# Altium PCB GN-1876-HI3519AV100_V1.PCBDOC (part 4 of 6) (continued)
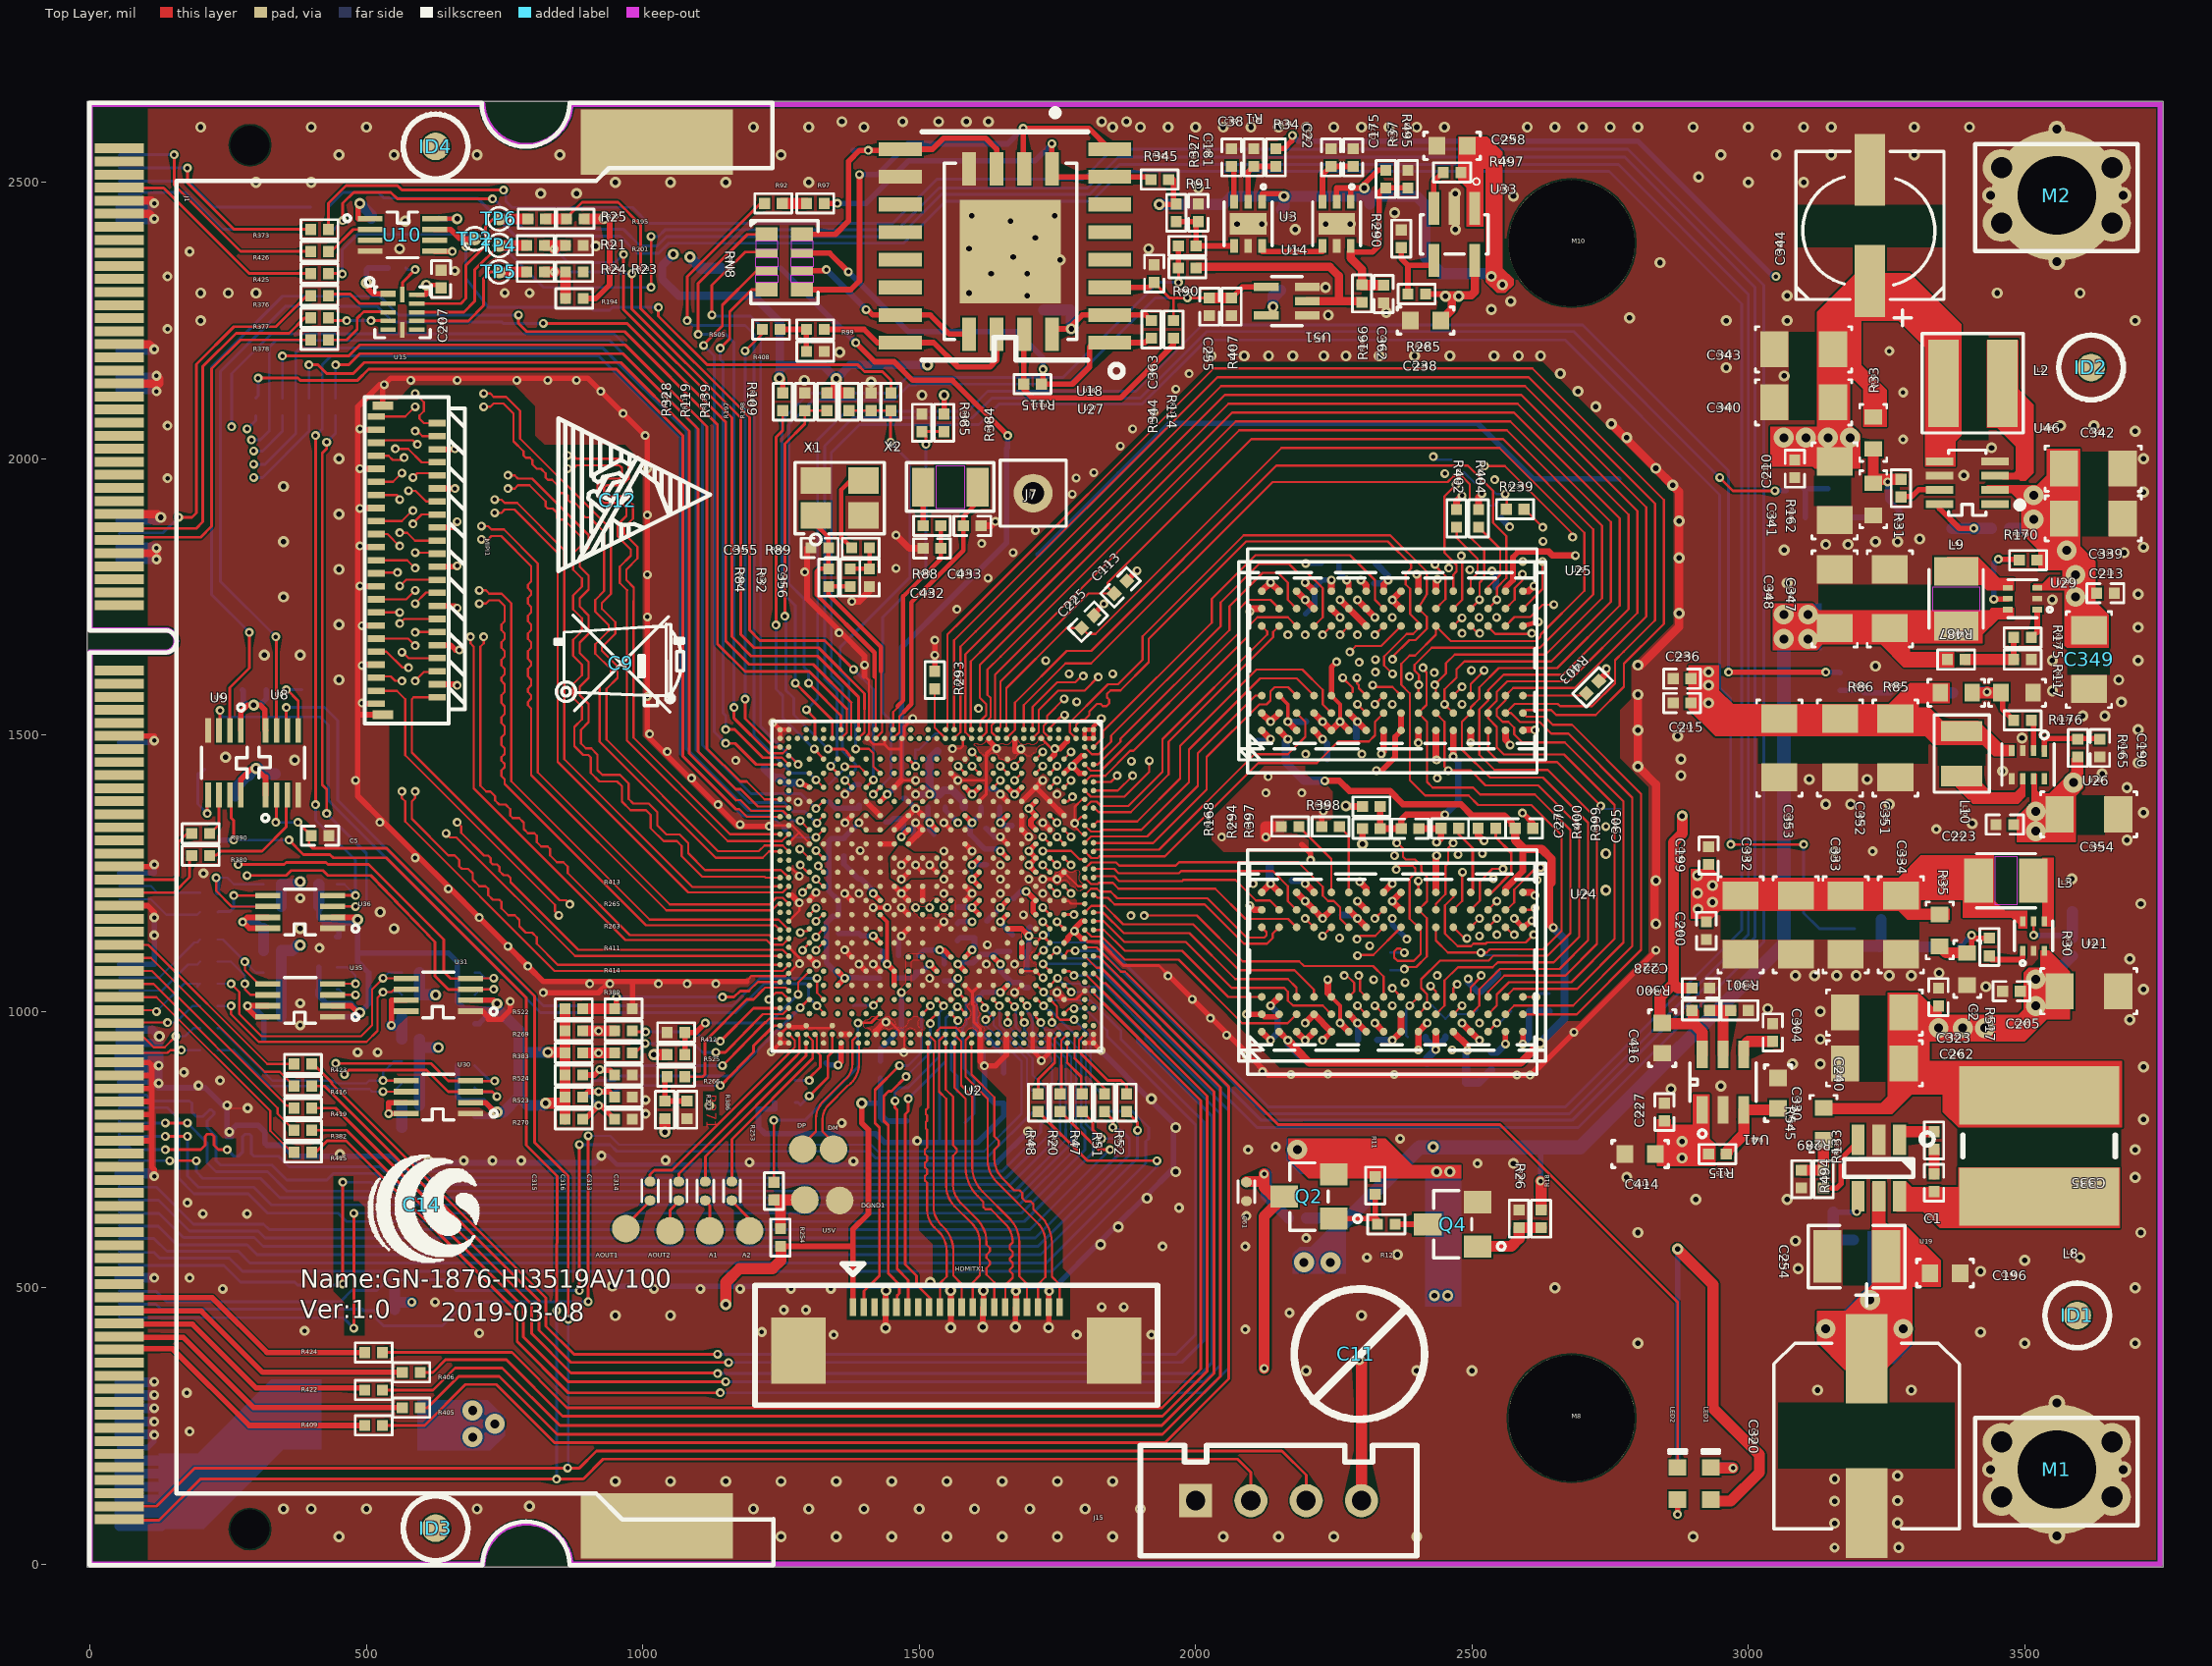
[diagram p0: Top Layer view]
## Nets (pads, with @x,y where several pads share a name; then routed paths per layer and width w, separated by ;. In a path a pad name is that pad's centre, name@x,y a point inside that pad or via, vN(x,y) a via of type N, cw(c..) or ccw(c..) an arc to the next point about the centre after c; other vN are vias at no path point) (continued)
  Mid-Layer 2 w12: v1(1544.53,1213.67) v1(1544.53,1239.26) v1(1544.53,1264.85)
  Bottom Layer w5.1: 1537,763.16 R242.1@1537,855.16 ; v1@2325,1607.16 v1(2325,1613.9)
  Bottom Layer w8: v3(925,739.16) 937,739.16 953,723.16 1041,723.16 1193,723.16 1381,723.16 1637,723.16 1641,727.16
  Bottom Layer w10: J1.192@53,211.16 104,211.16 114.99,222.16 114.99,233.15 v3(116,234.16) ; J1.136@53,872.58 112,872.58 119.21,865.37 122.42,862.16 124,862.16 196,862.16 208,862.16 248,822.16 248,782.16 248,774.16 252,774.16 256,774.16 256,782.16 256,786.16 264,794.16 304,794.16 316,782.16 316,762.16 320,758.16 348,758.16 368,738.16 452,738.16 548,738.16 560,726.16 612,726.16 676,726.16 728,726.16 780,726.16 912,726.16 v3(925,739.16) ; J1.118@53,1085.18 116,1085.18 v3(116,1138.16) v3(116,1170.16) ; J1.104@53,1250.53 116,1250.53 v3(116,1266.16) ; J1.84@53,1486.75 116,1486.75 v3(116,1490.16) ; v2(945,503.16) 1020,503.16 1104,503.16 1176,503.16 1268,503.16 1340,503.16 1440,503.16 1747,503.16 1825,581.16 1857,613.16 1909,665.16 1959,715.16 1960,716.16 1960,790.16 1960,798.19 1918.01,840.17 v1(1828.65,929.54) ; C312.2@1238.5,835.16 1238.5,823.16 1209,823.16 1209,791.16 1221,779.16 1421,779.16 1437,763.16 1496,763.16 1537,763.16 1605,763.16 1653,811.16 C57.2@1653,834.4 1635.86,834.4 1618,852.26 v1(1618,901.9) 1615.6,904.3 C58.2@1615.6,929.7 ; v1(1365.4,1392.79) 1382.81,1410.2 C60.2@1391.1,1410.2 ; C288.2@1462.6,1101.7 1462.6,1131.82 v1(1467.72,1136.94) ; C421.2@1471.4,1385.7 1474.85,1385.7 v1(1493.31,1367.24) ; C53.2@1489.56,1321.14 1489.56,1337.9 v1(1493.31,1341.65) ; C51.2@1621.1,1331.2 1621.85,1330.45 1636.29,1316.01 v1(1646.9,1316.01) ; C46.2@1628.34,1402.83 1636.85,1402.83 v1(1646.89,1392.79) ; 1641,727.16 v3(1697,783.16) ; v1(2199,1810.9) R295.1@2227,1810.9 ; v1(2355.89,1168.27) 2355.89,1157.27 v1(2382,1131.16)
  Bottom Layer w12: C287.2@2323.1,1774.7 2342.1,1774.7 v1(2348.1,1780.7) 2348.1,1788.7 C290.2@2326.1,1810.7 ; v1(2493,1059.16) 2493,1053.16 R244.2@2510,1036.16 2516,1036.16 2547.1,1067.26 R246.2@2547.1,1069.7 ; v1(2536,1797.16) 2543,1790.16 C309.2@2543,1768.16 ; R164.2@2552.31,1892.84 v1(2568,1877.16) ; v1(2592.1,941.28) 2603.1,952.28 C174.2@2603.1,965.7 C34.2@2603.1,1000.7 R401.1@2640.1,1000.7
  Bottom Layer w15: J1.130@53,943.45 125,943.45 v2(125,955.16) 113.09,967.07 J1.128@53,967.07 ; J1.64@53,1817.46 119.31,1817.46 v3(120,1818.16) ; J1.62@53,1841.09 117.07,1841.09 v3(120,1838.16) ; J1.58@53,1888.33 122.17,1888.33 v2(128,1894.16) ; J1.38@53,2124.55 117.61,2124.55 v3(120,2122.16) ; J1.36@53,2148.17 118.01,2148.17 v3(120,2150.16) ; J1.32@53,2195.42 113.26,2195.42 v3(116,2198.16) ; J1.12@53,2431.64 113.48,2431.64 v3(116,2434.16) ; J1.10@53,2455.26 109.1,2455.26 v3(116,2462.16)
  Bottom Layer w18: J1.190@53,234.79 115.37,234.79 v3(116,234.16) ; J1.188@53,258.41 115.75,258.41 v3(116,258.16) ; J1.186@53,282.03 115.87,282.03 v3(116,282.16) ; J1.184@53,305.65 115.49,305.65 v3(116,306.16) ; J1.182@53,329.27 115.12,329.27 v3(116,330.16) ; J1.166@53,518.25 115.91,518.25 v3(116,518.16) ; J1.150@53,707.23 112,707.23 112,706.16 v3(116,702.16) ; J1.134@53,896.2 118.05,896.2 v3@122,900.16 ; J1.132@53,919.83 124,919.83 v3(124,902.16) v3@122,900.16 ; 112,872.58 122,872.58 v3@122,900.16
  other v1: 2172.5,886.16 2359.3,886.16 2581.3,885.46 2239.7,886.66 2121,891.16 2464.38,930.9 2056,957.16 2027,988.16 2355.89,1010.77 1994,1022.16 904,1050.16 940,1050.16 1028,1050.16 1080,1050.16 1132,1050.16 2322.1,1057.7 1518.94,1060.13 1950,1064.16 1621.25,1085.76 1672.44,1085.76 2315,1119.16 1623.23,1120.93 2260.48,1133.09 2513.35,1136.75 2544.84,1138.77 1883.1,1173.7 1688.3,1175 1390.94,1213.7 1723.61,1213.7 2103.94,1231.24 2618,1238.16 588,1278.16 2360,1282.16 1393,1291.16 2047.1,1315.7 2742.1,1334.7 1176,1338.16 524,1342.16 1136,1374.16 1749.21,1392.83 2127.1,1395.7 2192.1,1395.7 480,1418.16 1088,1422.16 2437,1422.16 2131.1,1424.9 1884,1452.9 1168,1454.16 2199.1,1465.7 2301,1465.9 1044,1470.16 1012,1502.16 1607,1548.16 1785,1560.16 1771,1611.16 1850,1611.16 2296,1631.9 1729,1635.16 2325,1636.9 2166.9,1681.77 2198.4,1681.77 2292.88,1681.76 1355,1685 2355.88,1713.26 2513,1713.16 2544.5,1713.16 1624.3,1784.26 1573,1791.9 1293,1795.16 1458,1801.9 1670,1830.16 1613,1846.9 2628.5,1850.66 1710,1870.16 1777,1936.16 1784,1965.16 2451,1973.16 1815.9,1974.96 1864,2023.16 488,2054.16 1886,2054.16 1925,2085.16 1964,2126.16 580,2142.16 664,2142.16 772,2142.16 828,2142.16 880,2142.16 1988,2154.16
  other v2: 3272,30.16 450,50 1250,50 1350,50 1450,50 1550,50 1650,50 1750,50 1850,50 2050,50 2150,50 2250,50 2400,50 2900,50 3156,74.16 3270,75 350,100 400,100 500,100 700,100 1200,100 1300,100 1400,100 1500,100 1600,100 1700,100 1800,100 1900,100 795,105 3156,114.16 3270,115 950,150 1050,150 1150,150 1250,150 1350,150 1450,150 1550,150 1650,150 1750,150 1850,150 3156,154.16 3270,160 3125,315 3295,315 2200,350 2400,350 2500,350 2800,400 3500,400 3700,400 3420,420 950,450 1050,450 2300,450 2650,500 3700,500 3420,530 3090,535 3500,550 3600,555 2365,560.16 1828,578.16 3085,585 2800,600 3710,600 1860,610.16 2905,660 3070,660 1912,662.16 2780,700 3700,700 1964,710.16 2575,725.16 3700,750 1964,790.16 3715,805 1920,842.16 2860,860 2950,865 3715,900 3080,905 3130,905 3130,950 3690,985 3130,1000 3035,1005 3715,1040 3430,1045 3085,1065 3120,1065 3160,1065 3195,1065 3255,1065 3295,1065 3345,1070 3690,1095 380,1150 550,1150 525,1180 3710,1195 2742.1,1219.66 3585,1240 2742.1,1285.76 3685,1310 3405,1340 3715,1360 3140,1375 3185,1375 3255,1375 3685,1405 3110,1420 3215,1420 2878,1426.9 3640,1430 3460,1435 3705,1450 370,1455 2878,1456.9 245,1460 3495,1495 2872,1498.16 3705,1510 3605,1535 3645,1535 3675,1560 3550,1580 450,1600 3670,1600 3230,1625 3550,1635 3705,1635 315,1645 380,1645 3705,1695 450,1700 3550,1745 350,1750 3705,1755 3070,1775 450,1800 3680,1830 3065,1835 3715,1840 3140,1845 3180,1845 350,1850 3230,1850 3270,1850 3310,1855 450,1900 3715,1940 350,1950 3390,1970 450,2000 3715,2000 3440,2020 2780,2038.16 3700,2050 3565,2060 3625,2060 2724,2094.16 1505,2115.16 2692,2122.16 1413,2139 1292,2142 3065,2150 2660,2154.16 2960,2165 2028,2186.16 2088,2186.16 2132,2186.16 2176,2186.16 2232,2186.16 2272,2186.16 2332,2186.16 2396,2186.16 2460,2186.16 2540,2186.16 2584,2186.16 2624,2186.16 1356,2193 200,2250 2960,2250 3070,2250 3700,2250 2785,2255 2240,2260 2345,2265 2535,2270 2570,2285 1695,2295 3070,2295 200,2300 250,2300 300,2300 1590,2300 3450,2300 3600,2300 2235,2310 1630,2335 1695,2335 2840,2355 1755,2360 1670,2365 560,2380 1590,2380 1915,2380 915,2385 1710,2400 2180,2415 2470,2415 2075,2425 2120,2425 2235,2425 2280,2425 570,2430 1665,2430 1595,2440 1745,2440 2360,2445 2575,2475 815,2480 880,2480 2470,2480 2005,2490 300,2500 400,2500 950,2500 1050,2500 1150,2500 1300,2500 3000,2500 3100,2500 2910,2510 450,2550 550,2550 700,2550 850,2550 1250,2550 2950,2550 3050,2550 3150,2550 3300,2550 200,2600 400,2600 500,2600 1200,2600 1300,2600 1400,2600 1850,2600 1900,2600 1950,2600 2000,2600 2050,2600 2100,2600 2150,2600 2200,2600 2250,2600 2300,2600 2350,2600 2400,2600 2450,2600 2600,2600 2650,2600 2700,2600 2750,2600 2800,2600 2900,2600 3000,2600 3100,2600 3150,2600 3300,2600 3400,2600 1360,2610 1470,2610 1535,2610 1585,2610 1625,2610 1830,2610 1875,2610
  other v3: 3156,30.16 180,240.16 175,310.16 1345,415.16 1785,415.16 1920,415.16 704,418.16 1215,420.16 388,422.16 2090,425 2170,455 1255,460.16 1295,460.16 1830,465.16 1870,465.16 624,474.16 240,498.16 1020,498.16 1104,498.16 1176,498.16 1268,498.16 1340,498.16 180,518.16 2310,555 1940,575 2090,575 2200,590.16 2092,630.16 204,634.16 284,634.16 1970,645 176,654.16 2510,725.16 1193,727.16 1381,729 612,730.16 676,730.16 728,730.16 780,730.16 1041,731.16 452,742.16 2095,750 2145,755 1496,766.16 2370,770 252,782.16 1360,798.16 1005,815 1120,830 1005,840 196,866.16 124,870.16 235,875.16 170,890.16 484,926.16 520,926.16 380,975 380,1015 415,1115 380,1205 205,1250 3155,1290 3225,1290 3340,1330 140,1965 3280,2035 140,2060 3280,2120 3255,2195 140,2235 750,2300 795,2300 140,2330 660,2340 180,2375
GPIO_IO1: R424.1 U2.A31 | length 2315.1
  Top Layer w4: U2.A31@1815.15,1037.52 1817,1035.67 1817,1031.16 1833,1015.16
  Top Layer w5.1: R424.1@529,383.16 763,383.16 863,283.16 1939,283.16 2009,353.16 2009,839.16 1833,1015.16
GPIO_IO2: R406.1 U2.B29 | length 2321
  Top Layer w4: U2.B29@1799.41,1069.02 1833,1035.43
  Top Layer w5.1: R406.1@597,347.16 620,347.16 643,370.16 753,370.16 855,268.16 1940,268.16 2021,349.16 2021,847.16 1833,1035.16 1833,1035.43
GPIO_IO3: R422.1 U2.A29 | length 2419.3
  Top Layer w4: U2.A29@1815.15,1069.02 1833,1051.17 1837,1051.16
  Top Layer w5.1: R422.1@529,315.16 620,315.16 660,355.16 745.68,355.16 850,250.84 1938.68,250.84 2033,345.16 2033,855.16 1837,1051.16
GPIO_IO4: R405.1 U2.B27 | length 2425.5
  Top Layer w4: U2.B27@1799.41,1100.52 1820.77,1079.16 1825,1079.16
  Top Layer w5.1: R405.1@597,283.16 610,283.16 667,340.16 740,340.16 845,235.16 1940,235.16 2045,340.16 2045,863.16 1829,1079.16 1825,1079.16
GPIO_IO5: R409.1 U2.A27 | length 2524.6
  Top Layer w4: U2.A27@1815.15,1100.52 1816.51,1099.16 1825,1099.16 1865,1059.16
  Top Layer w5.1: R409.1@529,251.16 605,251.16 679,325.16 734.93,325.16 840,220.08 1944.93,220.08 2060,335.16 2060,864.16 1865,1059.16
HDMI_CEC: HDMITX1.8 U2.1H19 | length 622.6
  Top Layer w4: v1(1569,1009) 1572.9,1009 U2.1H19@1582.87,996.19
  Top Layer w5.1: v1(1480,842.16) 1480,819.29 1474.87,814.16 1474.87,542.16 1494.87,522.16 1494.87,506.16 1520,481.03 1520,467.36 HDMITX1.8@1517.8,465.16
  Bottom Layer w4: 1548,987 1548,988
  Bottom Layer w5.1: v1(1480,842.16) 1548,910.16 1548,987 ; 1548,988 v1(1569,1009)
HDMI_HOTPLUG: HDMITX1.2 U2.1L19 | length 630.6
  Top Layer w4: U2.1L19@1506.1,996.19 1506.1,996.26 v1(1520,1010.16)
  Top Layer w5.1: HDMITX1.2@1399.69,465.16 1400,465.47 1400,494.16 1428,522.16 1428,790.16 1420,798.16 1420,858.16 v1(1464,902.16)
  Bottom Layer w5.1: v1(1464,902.16) 1480,902.16 1504,926.16 1504,994.16 v1(1520,1010.16)
HDMI_REXT: R242.2 U2.1J19 | length 155.9
  Top Layer w5.1: U2.1J19@1557.28,996.19 v1(1570.08,983.4)
  Bottom Layer w5.1: R242.2@1569,855.16 1569,883.16 1558,894.16 1558,942.43 1567.47,951.9 1567.47,980.79 v1(1570.08,983.4)
HDMI_SCL: HDMITX1.6 U2.1K18 | length 618.5
  Top Layer w4: U2.1K18@1531.69,1021.78 1532.38,1021.78 v1(1544,1010.16)
  Top Layer w5.1: v1(1456,838.16) 1456,826.16 1460,822.16 1460,534.16 1480,514.16 1480,466.73 HDMITX1.6@1478.43,465.16
  Bottom Layer w5.1: v1(1456,838.16) 1456,854.16 1464,862.16 1480,862.16 1536,918.16 1536,998.16 1544,1006.16 v1(1544,1010.16)
HDMI_SDA: HDMITX1.5 U2.1K19 | length 587.4
  Top Layer w4: v1(1520,978.16) 1520,984.5 U2.1K19@1531.69,996.19
  Top Layer w5.1: 1444.7,855.8 1436,847.1 1436,802.16 1444,794.16 1444,526.16 1464,506.16 1464,490.16 1459.87,486.03 1459.87,466.29 HDMITX1.5@1458.74,465.16 ; 1444.7,855.83 1449.67,855.83 v1(1476,882.16)
  Bottom Layer w4: v1(1476,882.16) 1520,926.16
  Bottom Layer w5.1: 1520,926.16 v1(1520,978.16)
HDMI_TX0N: HDMITX1.12 U2.V36 | length 530.1
  Top Layer w4: U2.V36@1547.44,958.78 1536,947.34 1536,855.16 1549,842.16 1549,686.12 ccw(c1600.32,683.99) 1548.95,684 ccw(c1600.32,684) 1564,647.67 1594.47,617.2 cw(c1561.9,582.16) 1609.74,582.16 1609.74,522.73 1596.54,509.53 HDMITX1.12@1596.54,465.16
HDMI_TX0P: HDMITX1.14 U2.V37 | length 526.1
  Top Layer w4: U2.V37@1547.44,943.04 1548,942.48 1548,859.16 1561,846.16 1561,758.16 1568,751.16 1568,746.16 1561,739.16 1561,686.16 ccw(c1609.7,687.86) 1575.24,653.4 1607.24,621.4 cw(c1561.39,582.16) 1621.74,582.16 1621.74,578.16 1628,571.9 1628,566.16 1621.74,559.9 1621.74,554.16 1628,547.9 1628,542.16 1621.74,535.9 1621.74,524.32 1635.91,510.16 HDMITX1.14@1635.91,465.16
HDMI_TX1N: HDMITX1.15 U2.U37 | length 540.9
  Top Layer w4: U2.U37@1563.19,943.04 1564,942.23 1564,862.16 1584,842.16 1584,718.1 ccw(c1657.46,718.1) 1605.51,666.16 1616,655.67 1616,646.16 1620,642.16 1629.51,642.16 1652.76,618.91 cw(c1620.12,582.16) 1669.28,582.16 1664,576.88 1664,570.16 1669.28,564.88 1669.28,558.16 1664,552.88 1664,550.16 1669.28,544.88 1669.28,538.16 1664,532.88 1664,530.16 1669.28,524.88 1669.28,518.57 1655.59,504.88 HDMITX1.15@1655.59,465.16
HDMI_TX1P: HDMITX1.17 U2.U36 | length 542.9
  Top Layer w4: U2.U36@1563.19,958.78 1575.81,946.16 1575.81,866.35 1596,846.16 1596,722.16 ccw(c1659.31,718.98) 1595.92,718.98 ccw(c1659.31,718.98) 1614.49,674.16 1665.59,623.05 1665.59,622.97 cw(c1620.32,582.16) 1681.28,582.16 1681.28,521.12 1694.96,507.43 HDMITX1.17@1694.96,465.16
HDMI_TX2N: HDMITX1.18 U2.R36 | length 559
  Top Layer w4: U2.R36@1594.68,958.78 1584,948.1 1584,882.16 1624,842.16 1624,730.16 ccw(c1678.33,730.16) 1640.74,690.93 1716.83,614.84 cw(c1676.19,582.16) 1728.33,582.16 1728.33,519.51 1714.65,505.83 HDMITX1.18@1714.65,465.16
HDMI_TX2P: HDMITX1.20 U2.R37 | length 556.6
  Top Layer w4: U2.R37@1594.68,943.04 1594.68,886.16 1636,844.84 1636,774.16 1644,766.16 1644,758.16 1636,750.16 1636,734.16 ccw(c1687.94,734.16) 1651.24,697.4 1672,676.64 1681.51,676.64 1686.49,671.67 1686.49,662.16 1692,656.64 1701.51,656.64 1706.49,651.67 1706.49,642.16 1727.24,621.4 cw(c1662.35,578.16) 1740.23,582.16 cw(c1662.35,578.16) 1740.33,578.16 1740.33,520.17 1754.02,506.49 HDMITX1.20@1754.02,465.16
HDMI_TXCN: HDMITX1.9 U2.Y37 | length 507.8
  Top Layer w4: U2.Y37@1515.94,943.04 1515.94,826.16 1512,822.22 1512,814.16 1514,812.16 1514,802.16 1512,800.16 1512,788.16 1514,786.16 1514,754.16 1510,750.16 1510,742.16 1514,738.16 1514,730.16 1510,726.16 1510,718.16 1514,714.16 1514,706.16 1510,702.16 1510,694.16 1514,690.16 1514,642.16 ccw(c1559.28,641.43) 1513.99,641.43 ccw(c1559.28,641.43) 1527.26,609.41 1539.26,597.41 cw(c1497.91,566.16) 1549.74,566.16 1549.74,520.68 1537.48,508.41 HDMITX1.9@1537.48,465.16
HDMI_TXCP: HDMITX1.11 U2.Y36 | length 516.7
  Top Layer w4: U2.Y36@1515.94,958.78 1528.92,945.8 1528.92,929.52 1526,926.6 1526,642.42 1526.02,642.26 ccw(c1573.65,647.81) 1539.74,613.9 1547.74,605.9 cw(c1498.33,566.16) 1561.74,566.16 1561.74,522.16 1576.85,507.05 HDMITX1.11@1576.85,465.16
I2S1_BCLK: R21.2 TP4.1 U15.9 | length 282.5
  Top Layer w5.1: U15.9@591,2265.16 676,2265.16 696,2285.16 696,2342.16 TP4.1@740,2386.16
  Top Layer w20: TP4.1@740,2386.16 R21.2@790,2386.16
I2S1_MCLK: R109.2 TP2.1 U10.7 | length 1037.9
  Top Layer w4: 680,2396 680.78,2396 682.93,2398.16
  Top Layer w5.1: 680,2396 680,2398.16 ; v1(1028,2274.16) 1028,2258.16 1115.58,2170.58 1388.07,2170.58 1400.75,2157.9 1433.25,2157.9 1449,2142.16 R109.2@1449,2119.16
  Top Layer w10: U10.7@623.41,2415 652,2415 668,2399 680,2398.16 ; v1(680,2384) 680,2396 ; 682.93,2398.16 TP2.1@696,2398.16
  Bottom Layer w5.1: v1(680,2384) 680,2326.16 720,2274.16 905,2274.16 910,2269.16 940,2269.16 945,2274.16 v1(1028,2274.16)
I2S1_SD_RX0: R25.2 TP6.1 U15.10 | length 321.1
  Top Layer w5.1: U15.10@591,2280.91 670.75,2280.91 680,2290.16 680,2350 715,2385 715,2420 727.29,2432.29 740,2432.29 TP6.1@740,2434.16
  Top Layer w20: TP6.1@740,2434.16 R25.2@792,2434.16
I2S1_WS: R23.2 TP5.1 U15.8 | length 264.3
  Top Layer w5.1: U15.8@591,2249.41 684,2249.41 712,2277.41 712,2326.16 724,2338.16 TP5.1@740,2338.16
  Top Layer w20: TP5.1@740,2338.16 R23.2@790,2338.16
JTAG_EN: R384.2 R385.1 U2.1P3 | length 769.4
  Top Layer w5.1: v1(1416.54,1392.84) U2.1P3@1429.33,1405.63 ; v1(1512,2026.16) 1512,2042.16 R385.1@1505,2049.16 R384.2@1545,2049.16
  Bottom Layer w5.1: v1(1416.54,1392.84) 1448.6,1424.9 1448.6,1526.3 1433.45,1541.45 1433.45,1712.65 1512,1791.2 v1(1512,2026.16)
JTAG_TCK/I2S1_BCLK: R21.1 R201.2 U2.AH1 | length 1292.2
  Top Layer w5.1: v1(965,2370) 965.08,2369.92 965.08,2270.08 1161,2074.16 1161,1678.16 1195.93,1643.23 1316.07,1643.23 1389.96,1569.34 U2.AH1@1389.96,1509.96
  Top Layer w20: R21.1@822,2386.16 v1@840,2386.16 ; v1(840,2380) v1@840,2386.16 ; R201.2@860,2386.16 v1@840,2386.16
  Bottom Layer w5.1: v1(840,2380) 865,2355 950,2355 v1(965,2370)
JTAG_TDO/I2S1_SD_RX0: R25.1 R195.2 U2.1R3 | length 1468.4
  Top Layer w5.1: R195.2@862,2434.16 865,2437.16 865,2439.08 890,2464.08 955,2464.08 996.21,2422.87 996.21,2271.95 1193,2075.16 1193,1690.16 1212,1671.16 1329,1671.16 v1(1381,1619.16) ; U2.1R3@1403.74,1405.63 1403.74,1405.9 v1(1417,1419.16)
  Top Layer w20: R25.1@824,2434.16 R195.2@862,2434.16
  Bottom Layer w5.1: v1(1381,1619.16) 1417,1583.16 v1(1417,1419.16)
JTAG_TMS/I2S1_WS: R23.1 R24.1 R194.2 U2.AH2 | length 1315.6
  Top Layer w4: R24.1@860,2334.16 R24.1@860,2338.16 ; U2.AH2@1389.96,1494.22 1400.96,1505.22 1400.96,1546.9
  Top Layer w5.1: v1(840,2338.16) R24.1@860,2338.16 ; v1(980,2335) 980,2271.16 1177,2074.16 1177,1682.16 1201,1658.16 1318,1658.16 1400.96,1575.2 1400.96,1546.9
  Top Layer w20: R23.1@822,2338.16 v1(840,2338.16) ; R194.2@860,2290.16 R24.1@860,2334.16
  Bottom Layer w5.1: v1(840,2338.16) 930.17,2338.16 933.32,2335 v1(980,2335)
JTAG_TRSTN/I2S1_MCLK: R109.1 R197.2 R198.2 U2.1P2 | length 843.1
  Top Layer w4: v1(1385,1475.16) 1409,1475.16 1417,1467.16 1417,1443.55 U2.1P2@1429.33,1431.22
  Top Layer w5.1: R197.2@1373,2087.16 R198.2@1413,2087.16 R109.1@1449,2087.16 1448,2086.16 v1(1448,2030.16)
  Bottom Layer w5.1: v1(1385,1475.16) 1385,1519.16 1373,1531.16 1373,1599.16 1357,1615.16 1357,1659.16 1483,1785.16 1483,1994.16 1448,2029.16 v1(1448,2030.16)
LED_RUN: LED2.2 U2.B26 | length 1637.6
  Top Layer w4: U2.B26@1799.41,1116.26 1821,1116.26 1865,1072.26 1872,1072.26 1877.1,1067.16
  Top Layer w5.1: 1877.1,1067.16 2149.05,795.21 2194.05,795.21 2194.1,795.16 2551,795.16 2872,474.16 LED2.2@2872,175.16
M0_CKM: MIPI1.8 U2.AU27 | length 1204.1
  Top Layer w4: v1(564,1650.16) 565.23,1650.16 576,1639.39 MIPI1.8@627.91,1639.39 ; v1(644,1322.16) 651.14,1315.02 662.66,1315.02 877.15,1100.52 U2.AU27@1248.23,1100.52
  Mid-Layer 2 w4: v1(564,1650.16) 559.15,1638.04 541.9,1630.64 540.65,1630.64 522,1612 522,1387.67 553.51,1356.16 621.51,1356.16 636.86,1340.81 636.86,1329.3 v1(644,1322.16)
M0_CKP: MIPI1.9 U2.AT27 | length 1205.3
  Top Layer w4: MIPI1.9@517.67,1651.2 536,1651.2 565.05,1622.16 v1(576,1622.16) ; v1(664,1342.16) 671.14,1335.02 671.14,1323.5 712.49,1282.16 720,1282.16 724.49,1277.67 724.49,1270.16 728.49,1266.16 736,1266.16 740.49,1261.67 740.49,1254.16 748,1246.64 755.51,1246.64 760.49,1241.67 760.49,1234.16 883.16,1111.49 1253,1111.49 U2.AT27@1263.97,1100.52
  Mid-Layer 2 w4: v1(576,1622.16) 563.88,1627.01 546.56,1619.58 534,1607.03 534,1392.64 558.49,1368.16 626.49,1368.16 645.34,1349.3 656.86,1349.3 v1(664,1342.16)
M0_D0M: MIPI1.5 U2.AT28 | length 1125
  Top Layer w4: MIPI1.5@517.67,1603.96 519.74,1601.89 524,1606.16 544,1606.16 552,1598.16 v1(564,1598.16) ; v1(564,1398.16) 564,1386.16 570,1380.16 570,1343.67 840.44,1073.23 1252.44,1073.23 U2.AT28@1263.97,1084.77
  Mid-Layer 2 w4: v1(564,1398.16) 564,1410.16 570,1416.16 570,1580.16 564,1586.16 v1(564,1598.16)
M0_D0P: MIPI1.6 U2.AU28 | length 1120.4
  Top Layer w4: v1(588,1398.16) 588,1386.16 582,1380.16 582,1348.64 648,1282.64 659.51,1282.64 668,1274.16 668,1262.64 672.49,1258.16 684,1258.16 692,1250.16 692,1238.64 704,1226.64 715.51,1226.64 720,1222.16 720,1210.64 728.49,1202.16 740,1202.16 744,1198.16 744,1186.64 756.49,1174.16 768,1174.16 776.49,1165.67 776.49,1154.16 788,1142.64 799.51,1142.64 808,1134.16 808,1122.64 846.06,1084.58 1248.23,1084.58 U2.AU28@1248.23,1084.77 ; v1(588,1598.16) 604,1614.16 626.3,1614.16 MIPI1.6@627.91,1615.77
  Mid-Layer 2 w4: v1(588,1398.16) 588,1410.16 582,1416.16 582,1580.16 588,1586.16 v1(588,1598.16)
M0_D1M: MIPI1.11 U2.1W13 | length 1131.9
  Top Layer w4: MIPI1.11@517.67,1674.83 575.33,1674.83 v1(588,1662.16) ; v1(1285,1143.16) 1287.19,1145.35 1297,1145.35 U2.1W13@1301.38,1149.73
  Mid-Layer 2 w4: v1(588,1662.16) 600,1662.16 606,1668.16 623.51,1668.16 634,1657.67 634,1463.67 962.51,1135.16 1256,1135.16 1264,1143.16 v1(1285,1143.16)
M0_D1P: MIPI1.12 U2.1V13 | length 1137.3
  Top Layer w4: v1(588,1686.16) 588.48,1686.64 MIPI1.12@627.91,1686.64 ; v1(1313,1135.16) 1313,1135.76 U2.1V13@1326.97,1149.73
  Mid-Layer 2 w4: v1(588,1686.16) 600,1686.16 606,1680.16 628.49,1680.16 646,1662.64 646,1468.64 966.61,1148.03 1252,1148.03 1264,1160.03 1288.13,1160.03 v1(1313,1135.16)
M0_D2M: MIPI1.2 U2.1V14 | length 1067.6
  Top Layer w4: MIPI1.2@627.91,1568.53 585.39,1568.53 582,1565.14 582,1468.64 849.34,1201.3 860.86,1201.3 v1(868,1194.16) ; v1(1313,1111.16) 1325.98,1124.14 U2.1V14@1326.97,1124.14
  Mid-Layer 2 w4: v1(868,1194.16) 868,1182.64 946,1104.64 1245.48,1104.64 1268,1127.16 1297,1127.16 v1(1313,1111.16)
M0_D2P: MIPI1.3 U2.1W14 | length 1064
  Top Layer w4: MIPI1.3@517.67,1580.34 554.8,1580.34 570,1565.14 570,1463.67 840.86,1192.81 840.86,1181.3 v1(848,1174.16) ; v1(1289,1111.16) 1289,1111.76 U2.1W14@1301.38,1124.14
  Mid-Layer 2 w4: v1(848,1174.16) 859.51,1174.16 939.51,1094.16 1252,1094.16 1269,1111.16 v1(1289,1111.16)
M0_D3M: MIPI1.14 U2.AT25 | length 1183.1
  Top Layer w4: v1(560,1702.16) 568.1,1710.26 MIPI1.14@627.91,1710.26 ; v1(688,1678.16) 688,1666.16 694,1660.16 694,1403.67 968.32,1129.35 1223.68,1129.35 1232,1121.04 1253,1121.04 U2.AT25@1263.97,1132.01
  Mid-Layer 2 w4: v1(560,1702.16) 572,1702.16 576,1706.16 627.84,1706.16 637.16,1696.84 672.84,1696.84 680.86,1688.81 680.86,1685.3 v1(688,1678.16)
M0_D3P: MIPI1.15 U2.AU25 | length 1179.5
  Top Layer w4: MIPI1.15@517.67,1722.07 559.91,1722.07 v1(560,1722.16) ; v1(712,1678.16) 712,1666.16 706,1660.16 706,1408.64 716.49,1398.16 724,1398.16 732.49,1389.67 732.49,1382.16 740,1374.64 751.51,1374.64 760,1366.16 760,1354.64 764.49,1350.16 776,1350.16 784.49,1341.67 784.49,1330.16 792,1322.64 803.51,1322.64 808,1318.16 808,1306.64 816,1298.64 827.51,1298.64 832,1294.16 832,1282.64 844.49,1270.16 856,1270.16 864,1262.16 864,1250.64 976.24,1138.4 1229.61,1138.4 1236,1132.01 U2.AU25@1248.23,1132.01
  Mid-Layer 2 w4: v1(560,1722.16) 572,1722.16 576,1718.16 634.82,1718.16 642.16,1710.82 675.82,1710.82 689.34,1697.3 692.86,1697.3 v1(712,1678.16)
M1_CKM: MIPI1.23 U2.1W10 | length 1266.5
  Top Layer w4: MIPI1.23@517.67,1816.56 573.6,1816.56 v1(588,1802.16) ; v1(1289,1215.16) 1300.34,1226.5 U2.1W10@1301.38,1226.5
  Mid-Layer 2 w4: v1(588,1802.16) 596,1810.16 628.49,1810.16 642.49,1824.16 749.51,1824.16 806,1767.67 806,1427.67 1032.51,1201.16 1239.49,1201.16 1253.49,1215.16 v1(1289,1215.16)
M1_CKP: MIPI1.24 U2.1V10 | length 1262
  Top Layer w4: v1(588,1830.16) 626.12,1830.16 MIPI1.24@627.91,1828.37 ; v1(1313,1239.16) 1325.66,1226.5 U2.1V10@1326.97,1226.5
  Mid-Layer 2 w4: v1(588,1830.16) 596,1822.16 623.51,1822.16 637.51,1836.16 754.49,1836.16 818,1772.64 818,1432.64 1037.49,1213.16 1232,1213.16 1248.84,1230 1303.84,1230 v1(1313,1239.16)
M1_D0M: MIPI1.20 U2.1V12 | length 1312.2
  Top Layer w4: v1(560,1770.16) 561.03,1770.16 572,1781.12 MIPI1.20@627.91,1781.12 ; v1(1313,1163.16) 1325.16,1175.32 U2.1V12@1326.97,1175.32
  Mid-Layer 2 w4: v1(560,1770.16) 572,1770.16 578,1776.16 678.49,1776.16 690.49,1788.16 717.51,1788.16 742,1763.67 742,1419.67 992.51,1169.16 1306.67,1169.16 1312.16,1163.67 v1(1313,1163.16)
M1_D0P: MIPI1.21 U2.1W12 | length 1309.6
  Top Layer w4: MIPI1.21@517.67,1792.94 518.89,1794.16 v1(556,1794.16) ; U2.1W12@1301.38,1175.32 1313,1186.94 v1(1313,1187.16)
  Mid-Layer 2 w4: v1(556,1794.16) 572,1794.16 578,1788.16 673.51,1788.16 685.51,1800.16 722.49,1800.16 754,1768.64 754,1598.16 760,1592.16 760,1582.16 754,1576.16 754,1562.16 760,1556.16 760,1546.16 754,1540.16 754,1530.16 760,1524.16 760,1514.16 754,1508.16 754,1498.16 760,1492.16 760,1482.16 754,1476.16 754,1466.16 760,1460.16 760,1450.16 754,1444.16 754,1424.64 764.49,1414.16 772,1414.16 776.49,1409.67 776.49,1402.16 997.49,1181.16 1307,1181.16 v1(1313,1187.16)
M1_D1M: MIPI1.26 U2.AT21 | length 1302
  Top Layer w4: v1(560,1866.16) 573.83,1866.16 588,1851.99 MIPI1.26@627.91,1851.99 ; v1(708,1878.16) 720,1878.16 726,1872.16 748.49,1872.16 810,1810.64 810,1432.64 1048.68,1193.97 1229,1193.97 1241,1205.97 1253,1205.97 U2.AT21@1263.97,1195
  Mid-Layer 2 w4: v1(560,1866.16) 572,1866.16 578,1860.16 621.51,1860.16 633.51,1872.16 690,1872.16 696,1878.16 v1(708,1878.16)
M1_D1P: MIPI1.27 U2.AU21 | length 1298.5
  Top Layer w4: MIPI1.27@517.67,1863.8 538,1863.8 559.64,1842.16 v1(560,1842.16) ; v1(708,1854.16) 720,1854.16 726,1860.16 743.51,1860.16 798,1805.67 798,1778.16 792,1772.16 792,1766.16 798,1760.16 798,1754.16 792,1748.16 792,1738.16 798,1732.16 798,1722.16 792,1716.16 792,1706.16 798,1700.16 798,1690.16 792,1684.16 792,1674.16 798,1668.16 798,1658.16 792,1652.16 792,1638.16 798,1632.16 798,1626.16 792,1620.16 792,1606.16 798,1600.16 798,1590.16 792,1584.16 792,1578.16 798,1572.16 798,1566.16 792,1560.16 792,1554.16 798,1548.16 798,1427.67 1042.51,1183.16 1233.16,1183.16 1245,1195 U2.AU21@1248.23,1195
  Mid-Layer 2 w4: v1(560,1842.16) 572,1842.16 578,1848.16 626.49,1848.16 638.49,1860.16 690,1860.16 696,1854.16 v1(708,1854.16)
M1_D2M: MIPI1.17 U2.AT24 | length 1201.5
  Top Layer w4: MIPI1.17@517.67,1745.69 572,1745.69 588,1761.69 v1(588,1762.16) ; v1(704,1762.16) 716,1762.16 722,1756.16 744.49,1756.16 762,1738.64 762,1416.64 1012.24,1166.4 1245.33,1166.4 U2.AT24@1263.97,1147.76
  Mid-Layer 2 w4: v1(588,1762.16) 600,1762.16 606,1756.16 686,1756.16 692,1762.16 v1(704,1762.16)
M1_D2P: MIPI1.18 U2.AU24 | length 1196.5
  Top Layer w4: v1(588,1738.16) 608,1758.16 627.25,1758.16 MIPI1.18@627.91,1757.5 ; v1(704,1738.16) 716,1738.16 722,1744.16 739.51,1744.16 750,1733.67 750,1706.16 744,1700.16 744,1690.16 750,1684.16 750,1674.16 744,1668.16 744,1658.16 750,1652.16 750,1642.16 744,1636.16 744,1626.16 750,1620.16 750,1610.16 744,1604.16 744,1598.16 750,1592.16 750,1578.16 744,1572.16 744,1558.16 750,1552.16 750,1538.16 744,1532.16 744,1522.16 750,1516.16 750,1502.16 744,1496.16 744,1482.16 750,1476.16 750,1466.16 744,1460.16 744,1454.16 750,1448.16 750,1442.16 744,1436.16 744,1426.16 750,1420.16 750,1411.67 1005.59,1156.08 1239.91,1156.08 U2.AU24@1248.23,1147.76
  Mid-Layer 2 w4: v1(588,1738.16) 600,1738.16 606,1744.16 686,1744.16 692,1738.16 v1(704,1738.16)
M1_D3M: MIPI1.29 U2.AU19 | length 1263.9
  Top Layer w4: MIPI1.29@517.67,1887.42 564,1887.42 582.73,1906.16 v1(584,1906.16) ; v1(732,1926.16) 744,1926.16 750,1920.16 772.49,1920.16 858,1834.64 858,1456.64 1089.49,1225.16 1235.66,1225.16 1237,1226.5 U2.AU19@1248.23,1226.5
  Mid-Layer 2 w4: v1(584,1906.16) 596,1906.16 602,1900.16 621.51,1900.16 641.51,1920.16 714,1920.16 720,1926.16 v1(732,1926.16)
M1_D3P: MIPI1.30 U2.AT19 | length 1260.2
  Top Layer w4: v1(584,1882.16) 584,1883.23 600,1899.23 MIPI1.30@627.91,1899.23 ; v1(732,1902.16) 744,1902.16 750,1908.16 767.51,1908.16 846,1829.67 846,1451.67 1082.14,1215.53 1253,1215.53 U2.AT19@1263.97,1226.5
  Mid-Layer 2 w4: v1(584,1882.16) 596,1882.16 602,1888.16 626.49,1888.16 646.49,1908.16 714,1908.16 720,1902.16 v1(732,1902.16)
M2_CKM: MIPI1.35 U2.AU13 | length 1430.9
  Top Layer w4: MIPI1.35@517.67,1958.29 548,1958.29 567.87,1978.16 v1(564,1974.16) ; v1(864,2006.16) 874.1,2006.16 880.1,2000.16 962.49,2000.16 974,1988.64 974,1963.67 962.49,1952.16 934.49,1952.16 930,1947.67 930,1936.64 934.49,1932.16 966.49,1932.16 982,1916.64 982,1891.67 966,1875.67 966,1864.64 990,1840.64 990,1819.67 970,1799.67 970,1780.64 983.51,1767.13 983.51,1743.25 983.04,1742.77 983.04,1495.6 1157.66,1320.99 U2.AU13@1248.23,1320.99
  Mid-Layer 2 w4: v1(564,1974.16) 577.14,1987.3 582.66,1987.3 594.31,1998.96 604.25,1998.96 604.58,1998.63 804.16,1998.63 805.69,2000.16 846,2000.16 852,2006.16 v1(864,2006.16)
M2_CKP: MIPI1.36 U2.AT13 | length 1426.9
  Top Layer w4: v1(584,1966.16) 592,1974.16 627.91,1974.16 631.96,1974.16 MIPI1.36@627.91,1970.1 ; v1(864,1982.16) 874.1,1982.16 880.1,1988.16 957.51,1988.16 962,1983.67 962,1968.64 957.51,1964.16 929.51,1964.16 918,1952.64 918,1931.67 929.51,1920.16 961.51,1920.16 970,1911.67 970,1896.64 954,1880.64 954,1859.67 978,1835.67 978,1824.64 958,1804.64 958,1775.67 971.51,1762.16 971.04,1761.68 971.04,1490.63 1153.51,1308.16 1251.14,1308.16 U2.AT13@1263.97,1320.99
  Mid-Layer 2 w4: v1(584,1966.16) 591.14,1973.3 591.14,1978.81 599.28,1986.96 599.61,1986.63 809.13,1986.63 810.66,1988.16 846,1988.16 852,1982.16 v1(864,1982.16)